# Altium PCB main.PcbDoc (part 1 of 3) (continued)
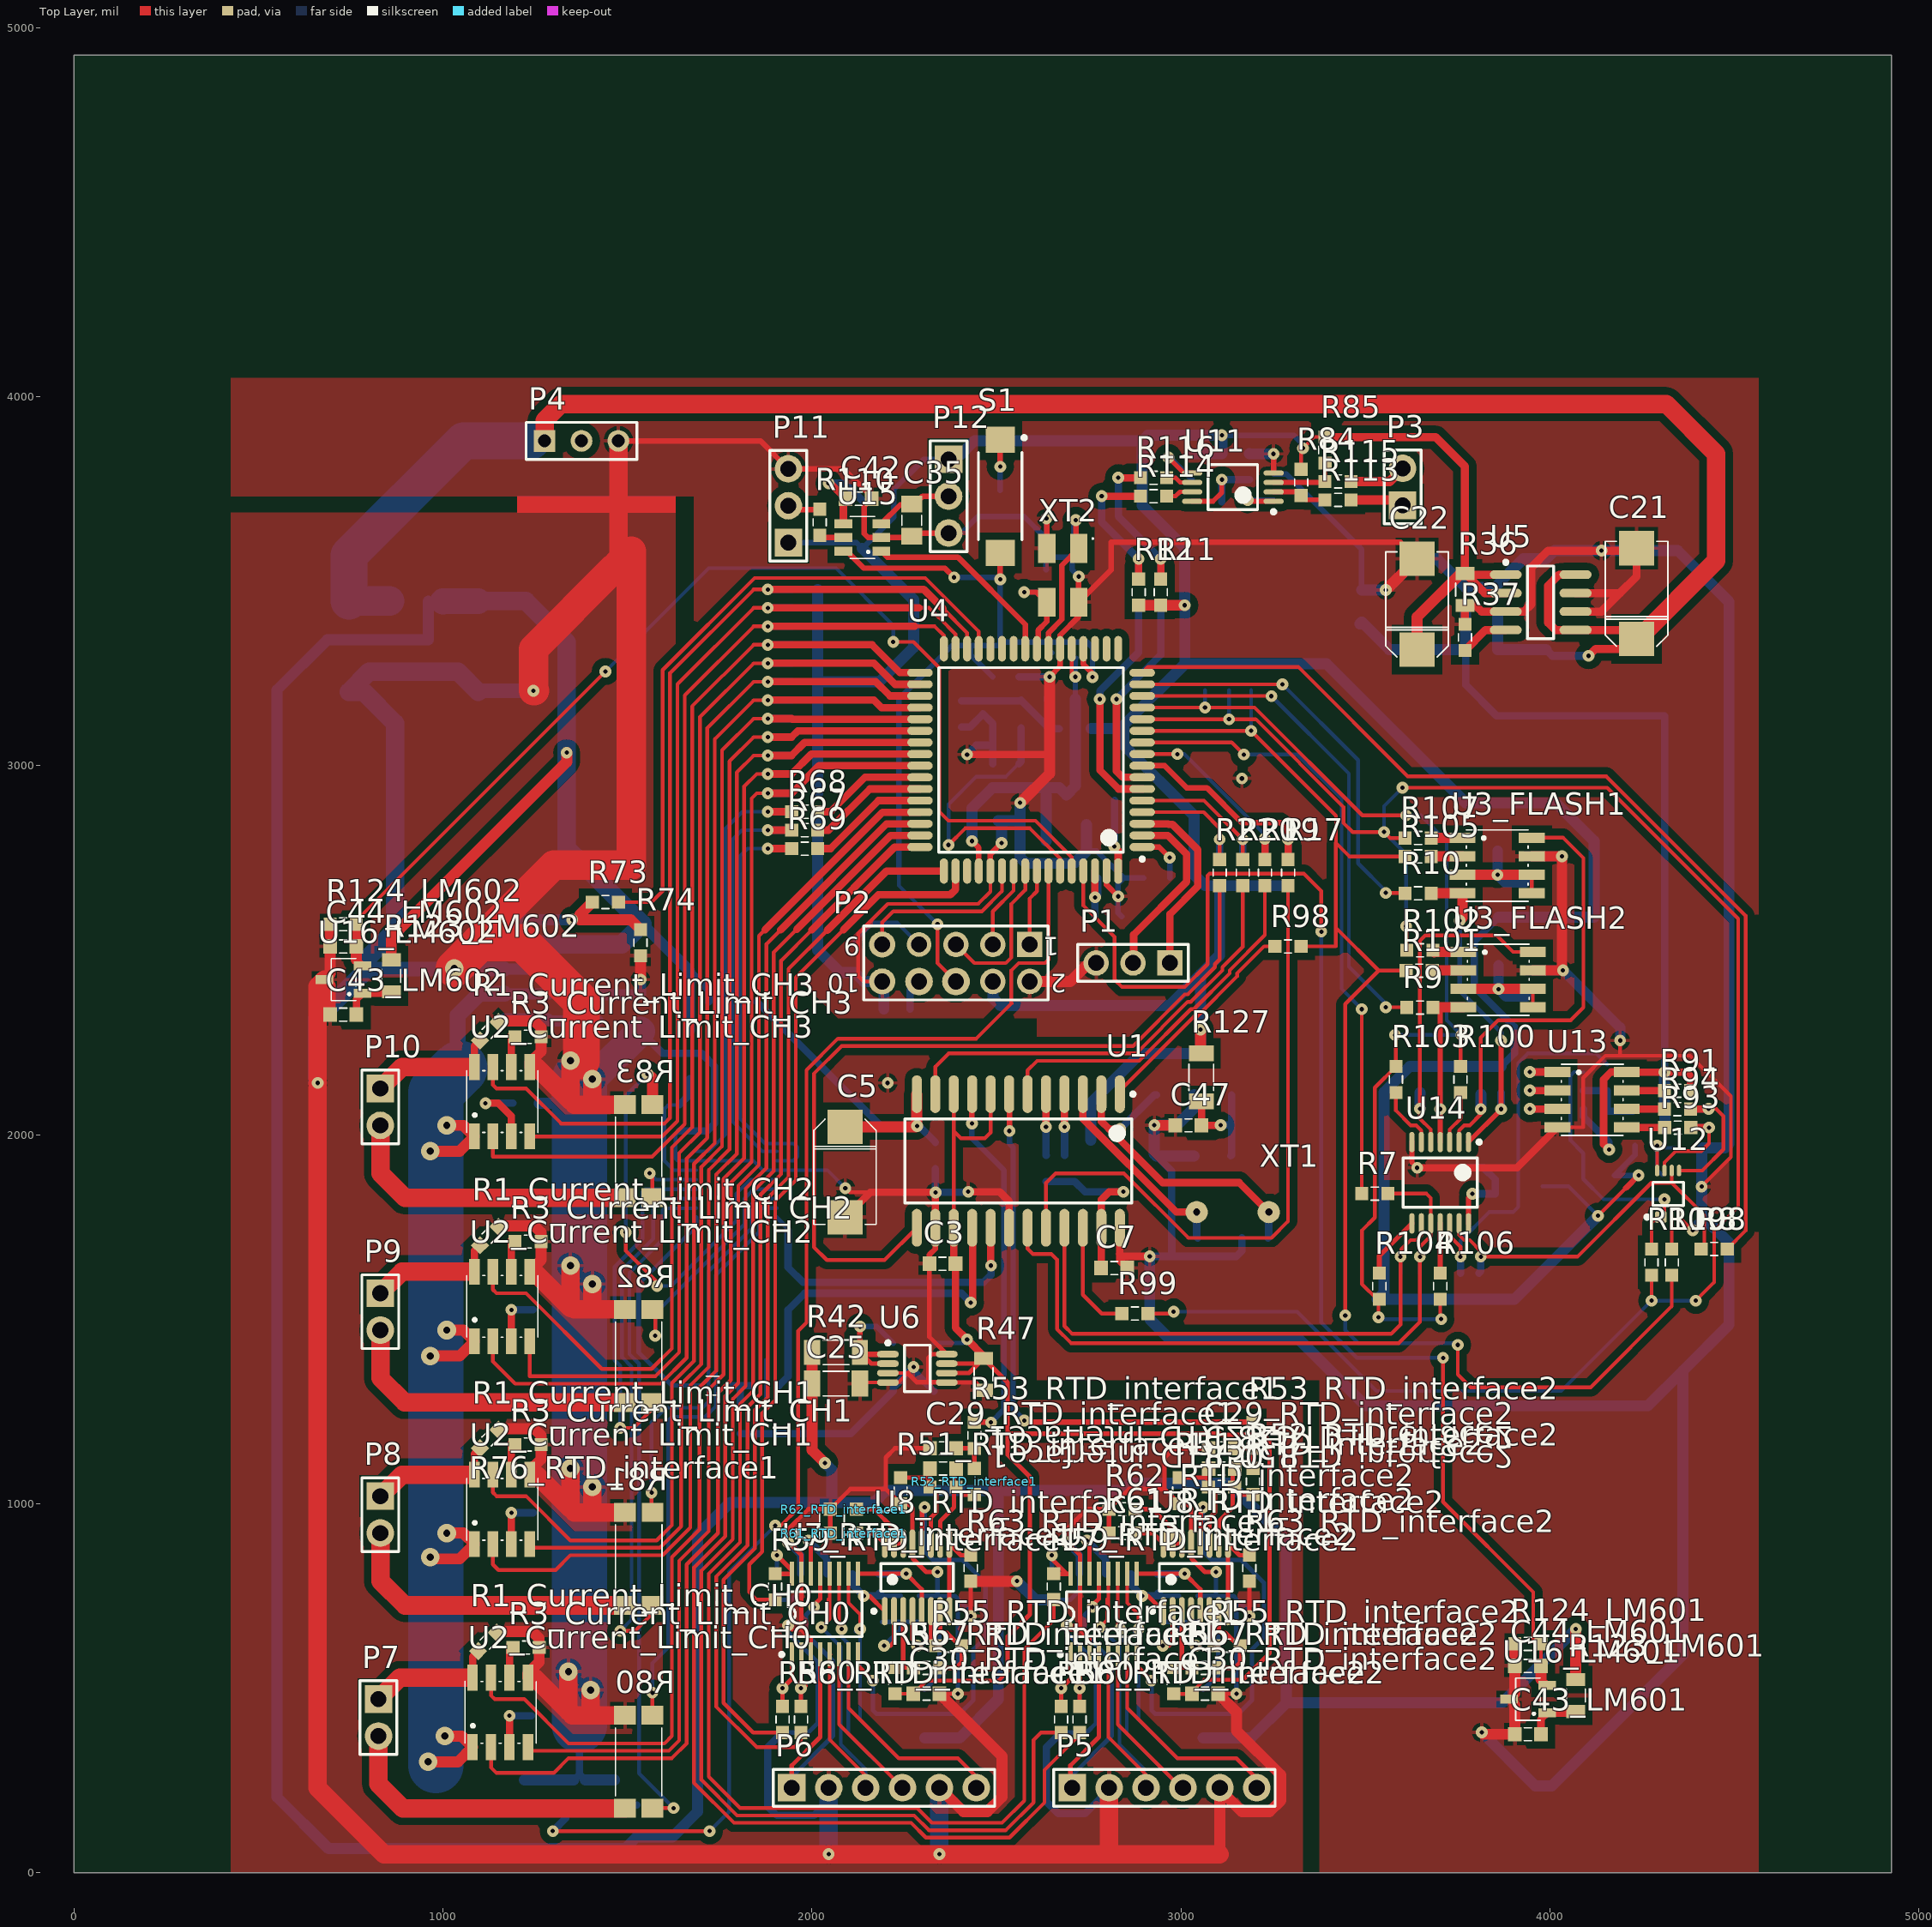
[diagram p0: Top Layer view]
## Classes and differential pairs
net class VCC[1..4]: VCC3 VCC4
net class GROUND[1..4]: GROUND4
channel class LM60: LM601 LM602 LM603 LM604
net class TEMP[1..4]: TEMP1 TEMP2 TEMP3 TEMP4
component class LM604: C43_LM604 C44_LM604 R123_LM604 R124_LM604 U16_LM604
component class LM603: C43_LM603 C44_LM603 R123_LM603 R124_LM603 U16_LM603
component class LM602: C43_LM602 C44_LM602 R123_LM602 R124_LM602 U16_LM602
component class LM601: C43_LM601 C44_LM601 R123_LM601 R124_LM601 U16_LM601
channel class RTD: RTD_interface1 RTD_interface2
channel class Flash: FLASH1 FLASH2
channel class Current_Limit: Current_Limit_CH0 Current_Limit_CH1 Current_Limit_CH2 Current_Limit_CH3
component class Watchdog: C35 C42 P11 P12 R110 R120 U15
component class SunS_Decoupler: C39 R84 R85 R86 R87 R113 R114 R115 R116 R117 U11
component class "SPI buffer": C41 R23 R24 R25 R26 R27 R28 R29 R38 R39 R40 R41 R98 R99 R100 R101 R102 R103 R104 R105 R106 R107 R108 R109 R119 U14
component class "Solar Panels": P5 P6 P7 P8 P9 P10
component class Solar_interface: C31 C32 C33 C34 C38 R67 R68 R69 R70 R71 R72 R73 R74 R75 R77 R78 R79 R80 R81 R82 R83 R112 U9 U10
component class Satellite_interface: P3 P4
component class RTD_interface2: C27_RTD_interface2 C28_RTD_interface2 C29_RTD_interface2 C30_RTD_interface2 C36_RTD_interface2 C37_RTD_interface2 R48_RTD_interface2 R49_RTD_interface2 R50_RTD_interface2 R51_RTD_interface2 R52_RTD_interface2 R53_RTD_interface2 R54_RTD_interface2 R55_RTD_interface2 R56_RTD_interface2 R57_RTD_interface2 R58_RTD_interface2 R59_RTD_interface2 R60_RTD_interface2 R61_RTD_interface2 R62_RTD_interface2 R63_RTD_interface2 R64_RTD_interface2 R65_RTD_interface2 R66_RTD_interface2 R76_RTD_interface2 R111_RTD_interface2 U7_RTD_interface2 U8_RTD_interface2
component class RTD_interface1: C27_RTD_interface1 C28_RTD_interface1 C29_RTD_interface1 C30_RTD_interface1 C36_RTD_interface1 C37_RTD_interface1 R48_RTD_interface1 R49_RTD_interface1 R50_RTD_interface1 R51_RTD_interface1 R52_RTD_interface1 R53_RTD_interface1 R54_RTD_interface1 R55_RTD_interface1 R56_RTD_interface1 R57_RTD_interface1 R58_RTD_interface1 R59_RTD_interface1 R60_RTD_interface1 R61_RTD_interface1 R62_RTD_interface1 R63_RTD_interface1 R64_RTD_interface1 R65_RTD_interface1 R66_RTD_interface1 R76_RTD_interface1 R111_RTD_interface1 U7_RTD_interface1 U8_RTD_interface1
component class "Power distribution & filters": C15 C16 C17 C18 C19 C20 C21 C22 L1 L2 R33 R34 R35 R36 R37 U5
component class MCU: C8 C9 C10 C11 C12 C13 C14 C45 C46 P1 P2 R4 R5 R6 R7 R8 R9 R10 R11 R12 R13 R14 R15 R16 R17 R18 R19 R20 R21 R22 R30 R31 R32 R46 R125 R126 R128 R129 R130 R131 R132 R133 R134 R135 R136 R137 R138 S1 U4 XT2 Y2
component class FRAM: C40 D1 R88 R89 R90 R91 R92 R93 R94 R95 R96 R97 R118 U12 U13
component class FLASH2: C23_FLASH2 R45_FLASH2 U3_FLASH2
component class FLASH1: C23_FLASH1 R45_FLASH1 U3_FLASH1
component class Current_Limit_CH3: R1_Current_Limit_CH3 R2_Current_Limit_CH3 R3_Current_Limit_CH3 U2_Current_Limit_CH3
component class Current_Limit_CH2: R1_Current_Limit_CH2 R2_Current_Limit_CH2 R3_Current_Limit_CH2 U2_Current_Limit_CH2
component class Current_Limit_CH1: R1_Current_Limit_CH1 R2_Current_Limit_CH1 R3_Current_Limit_CH1 U2_Current_Limit_CH1
component class Current_Limit_CH0: R1_Current_Limit_CH0 R2_Current_Limit_CH0 R3_Current_Limit_CH0 U2_Current_Limit_CH0
component class ADC: C1 C2 C3 C5 C6 C7 C47 R43 R44 R121 R122 R127 U1 XT1 XT3 Y1
component class 2.5V-ref: C24 C25 C26 R42 R47 U6

## Components (designator, comment, footprint, x,y, rotation, side; value= is the part's Value field where it differs from the comment)
C1 "0603" SMD_Capacitor_0603 3200,1720 r0 bottom
C2 "0603" SMD_Capacitor_0603 3010,1720 r0 bottom
C3 "0603" SMD_Capacitor_0603 2353.39,1650 r0 top
C5 "Tantalum" Tantalum_cap_D 2089.41,1898.46 r270 top
C6 "0603" SMD_Capacitor_0603 2334.41,1943.46 r90 bottom
C7 "0603" SMD_Capacitor_0603 2818.98,1638.46 r180 top
C8 "0603" SMD_Capacitor_0603 2670,3615.23 r0 bottom
C9 "0603" SMD_Capacitor_0603 2634.4,3495.43 r270 bottom
C10 "0603" SMD_Capacitor_0603 2525,3240 r180 bottom
C11 "0603" SMD_Capacitor_0603 2678.53,3180.43 r0 bottom
C12 "0603" SMD_Capacitor_0603 2468.53,2850.43 r180 bottom
C13 "0603" SMD_Capacitor_0603 2599.4,2795.43 r0 bottom
C14 "0603" SMD_Capacitor_0603 2599.4,2850.43 r0 bottom
C15 "0805" SMD_Capacitor_0805 885,3297.83 r90 bottom
C16 "Tantalum" Tantalum_cap_D 745,3322.83 r270 bottom
C17 "Tantalum" Tantalum_cap_D 1095,3322.83 r270 bottom
C18 "Tantalum" Tantalum_cap_D 3989.57,3437.4 r90 bottom
C19 "Tantalum" Tantalum_cap_D 3639.57,3437.4 r90 bottom
C20 "0603" SMD_Capacitor_0603 3771.26,3447.4 r270 bottom
C21 "Tantalum" Tantalum_cap_D 4234.57,3466.26 r90 top
C22 "Tantalum" Tantalum_cap_D 3639.57,3437.4 r90 top
C23_FLASH1 "0603" SMD_Capacitor_0603 3932.68,2718.82 r270 bottom (schematic designator C23)
C23_FLASH2 "0603" SMD_Capacitor_0603 3935.59,2409.41 r270 bottom (schematic designator C23)
C24 "1206" SMD_Capacitor_1206 2220,1370 r90 bottom
C25 "1206" SMD_Capacitor_1206 2065,1325 r180 top
C26 "1206" SMD_Capacitor_1206 2330,1370 r90 bottom
C27_RTD_interface1 "0603" SMD_Capacitor_0603 2190.01,714.99 r90 bottom (schematic designator C27)
C27_RTD_interface2 "0603" SMD_Capacitor_0603 2945.01,715 r90 bottom (schematic designator C27)
C28_RTD_interface1 "0603" SMD_Capacitor_0603 2355,1095 r0 top (schematic designator C28)
C28_RTD_interface2 "0603" SMD_Capacitor_0603 3110,1095 r0 top (schematic designator C28)
C29_RTD_interface1 "0603" SMD_Capacitor_0603 2355,1150 r0 top (schematic designator C29)
C29_RTD_interface2 "0603" SMD_Capacitor_0603 3110,1150 r0 top (schematic designator C29)
C30_RTD_interface1 "0603" SMD_Capacitor_0603 2310,485 r0 top (schematic designator C30)
C30_RTD_interface2 "0603" SMD_Capacitor_0603 3065,485 r0 top (schematic designator C30)
C31 "Tantalum" Tantalum_cap_D 1540,2448.31 r270 bottom
C32 "Tantalum" Tantalum_cap_D 1175,1855 r0 bottom
C33 "0603" SMD_Capacitor_0603 1360,2343.31 r270 bottom
C34 "0603" SMD_Capacitor_0603 1805,1225 r90 bottom
C35 "0805" SMD_Capacitor_0805 2270,3665 r90 top
C36_RTD_interface1 "0603" SMD_Capacitor_0603 2005,810 r0 bottom (schematic designator C36)
C36_RTD_interface2 "0603" SMD_Capacitor_0603 2760,810 r0 bottom (schematic designator C36)
C37_RTD_interface1 "0603" SMD_Capacitor_0603 2345,715 r270 bottom (schematic designator C37)
C37_RTD_interface2 "0603" SMD_Capacitor_0603 3095,715 r270 bottom (schematic designator C37)
C38 "0603" SMD_Capacitor_0603 1640,2045 r90 bottom
C39 "0603" SMD_Capacitor_0603 3185.43,3810 r270 bottom
C40 "0603" SMD_Capacitor_0603 4375.28,1963.98 r180 bottom
C41 "0603" SMD_Capacitor_0603 3736.93,1909.65 r180 bottom
C42 "0603" SMD_Capacitor_0603 2126.37,3723.28 r180 top
C43_LM601 "Cap" SMD_Capacitor_0603 3940,375 r0 top (schematic designator C43)
C43_LM602 "Cap" SMD_Capacitor_0603 729.57,2325 r0 top (schematic designator C43)
C43_LM603 "Cap" SMD_Capacitor_0603 2405,3140 r90 bottom (schematic designator C43)
C43_LM604 "Cap" SMD_Capacitor_0603 1465,215.43 r270 bottom (schematic designator C43)
C44_LM601 "Cap" SMD_Capacitor_0603 3940,560 r0 top (schematic designator C44)
C44_LM602 "Cap" SMD_Capacitor_0603 729.57,2510 r0 top (schematic designator C44)
C44_LM603 "Cap" SMD_Capacitor_0603 2525,3005 r0 bottom (schematic designator C44)
C44_LM604 "Cap" SMD_Capacitor_0603 1280,215.43 r270 bottom (schematic designator C44)
C45 "0603" SMD_Capacitor_0603 2804.4,2590.43 r180 bottom
C46 "0603" SMD_Capacitor_0603 2779.4,2840.43 r0 bottom
C47 "0603" SMD_Capacitor_0603 3020.04,2025 r180 top
D1 "BAT165" SOD323 4230,2019.57 r90 bottom
L1 "Inductor" SMD_Capacitor_0805 920,3445.67 r0 bottom
L2 "Inductor" SMD_Capacitor_0805 3814.57,3314.57 r180 bottom
P1 "UART" HDR1X3#1 2970,2465 r180 top
P2 "JTAG" HDR2X5 2590,2515 r180 top
P3 "Sat I2C" HDR1X2 3600.43,3705.43 r90 top
P4 "Sat Power" HDR1X3#2 1275,3880 r0 top
P5 "Header 6" HDR1X6 2705,230 r0 top
P6 "Header 6" HDR1X6 1945,230 r0 top
P7 "SOL_A" HDR1X2 825,470.16 r270 top
P8 "SOL_B" HDR1X2 830,1020.16 r270 top
P9 "SOL_C" HDR1X2 830,1570.16 r270 top
P10 "SOL_D" HDR1X2 830,2125 r270 top
P11 "Header 3" HDR1X3#3 1935.77,3604.14 r90 top
P12 "Header 3" HDR1X3#3 2370,3830 r270 top
R1_Current_Limit_CH0 "0805" SMD_Resistor_0603 1120,625.16 r45 top (schematic designator R1)
R1_Current_Limit_CH1 "0805" SMD_Resistor_0603 1125,1175.16 r45 top (schematic designator R1)
R1_Current_Limit_CH2 "0805" SMD_Resistor_0603 1125,1725.16 r45 top (schematic designator R1)
R1_Current_Limit_CH3 "0805" SMD_Resistor_0603 1125,2280 r45 top (schematic designator R1)
R2_Current_Limit_CH0 "0603" SMD_Resistor_0603 1275,425.16 r180 bottom (schematic designator R2)
R2_Current_Limit_CH1 "0603" SMD_Resistor_0603 1280,975 r180 bottom (schematic designator R2)
R2_Current_Limit_CH2 "0603" SMD_Resistor_0603 1280,1525.16 r180 bottom (schematic designator R2)
R2_Current_Limit_CH3 "0603" SMD_Resistor_0603 1225,2085 r180 bottom (schematic designator R2)
R3_Current_Limit_CH0 "0603" SMD_Resistor_0603 1225,610.16 r0 top (schematic designator R3)
R3_Current_Limit_CH1 "0603" SMD_Resistor_0603 1230,1160.16 r0 top (schematic designator R3)
R3_Current_Limit_CH2 "0603" SMD_Resistor_0603 1230,1710.16 r0 top (schematic designator R3)
R3_Current_Limit_CH3 "0603" SMD_Resistor_0603 1230,2265 r0 top (schematic designator R3)
R4 "0603" SMD_Resistor_0603 1979.99,3027.28 r0 bottom
R5 "0603" SMD_Resistor_0603 1980,2925 r0 bottom
R6 "0603" SMD_Resistor_0603 1979.99,2977.28 r0 bottom
R7 "0603" SMD_Resistor_0603 3525,1840 r180 top
R8 "0603" SMD_Resistor_0603 4445,1690 r0 top
R9 "0603" SMD_Resistor_0603 3647.37,2344.41 r180 top
R10 "0603" SMD_Resistor_0603 3642.68,2653.82 r180 top
R11 "0603" SMD_Resistor_0603 2945,3470 r270 top
R12 "0603" SMD_Resistor_0603 2885,3470 r270 top
R13 "0603" SMD_Resistor_0603 3104.58,2710.01 r270 bottom
R14 "0603" SMD_Resistor_0603 3167.29,2710 r270 bottom
R15 "0603" SMD_Resistor_0603 3227.29,2710 r270 bottom
R16 "0603" SMD_Resistor_0603 3290,2710 r270 bottom
R17 "0603" SMD_Resistor_0603 3290,2710 r270 top
R18 "0603" SMD_Resistor_0603 2885,3470 r90 bottom
R19 "0603" SMD_Resistor_0603 3227.29,2710 r270 top
R20 "0603" SMD_Resistor_0603 3167.29,2710 r270 top
R21 "0603" SMD_Resistor_0603 3104.57,2710 r270 top
R22 "0603" SMD_Resistor_0603 2945,3470 r90 bottom
R23 "0603" SMD_Resistor_0603 3190,3240 r90 bottom
R24 "0603" SMD_Resistor_0603 3130,3240 r90 bottom
R25 "0603" SMD_Resistor_0603 3065,3240 r90 bottom
R26 "0603" SMD_Resistor_0603 3867.37,2149.21 r90 bottom
R27 "0603" SMD_Resistor_0603 3702.37,2149.21 r90 bottom
R28 "0603" SMD_Resistor_0603 3812.37,1589.21 r270 bottom
R29 "0603" SMD_Resistor_0603 3647.37,1589.21 r270 bottom
R30 "0603" SMD_Resistor_0603 2934.4,2695.43 r0 bottom
R31 "0603" SMD_Resistor_0603 2680,3291.02 r0 bottom
R32 "0603" SMD_Resistor_0603 2510,3710.32 r270 bottom
R33 "0805" SMD_Resistor_0805#1 960,3297.83 r90 bottom
R34 "0805" SMD_Resistor_0805#1 3489.57,3432.4 r270 bottom
R35 "0805" SMD_Resistor_0805#1 3854.57,3447.4 r270 bottom
R36 "0805" SMD_Resistor_0805#1 3769.57,3477.4 r90 top
R37 "0603" SMD_Resistor_0603 3769.57,3347.4 r270 top
R38 "0603" SMD_Resistor_0603 3812.37,2149.21 r270 bottom
R39 "0603" SMD_Resistor_0603 3647.37,2149.21 r270 bottom
R40 "0603" SMD_Resistor_0603 3594.65,1589.2 r90 bottom
R41 "0603" SMD_Resistor_0603 3757.37,1589.21 r90 bottom
R42 "1206" SMD_Resistor_1206 2065,1410 r0 top
R43 "1206" SMD_Resistor_1206 1785,2360 r0 bottom
R44 "1206" SMD_Resistor_1206 2755,1920 r270 bottom
R45_FLASH1 "1206" SMD_Resistor_1206 3857.68,2833.82 r270 bottom (schematic designator R45)
R45_FLASH2 "1206" SMD_Resistor_1206 3859.81,2516.27 r270 bottom (schematic designator R45)
R46 "1206" SMD_Resistor_1206 2780,3015 r180 bottom
R47 "0805" SMD_Resistor_0805#1 2465,1350 r90 top
R48_RTD_interface1 "0603" SMD_Resistor_0603 2290,715 r90 bottom (schematic designator R48)
R48_RTD_interface2 "0603" SMD_Resistor_0603 3045.01,715 r90 bottom (schematic designator R48)
R49_RTD_interface1 "0603" SMD_Resistor_0603 2240,715 r270 bottom (schematic designator R49)
R49_RTD_interface2 "0603" SMD_Resistor_0603 2995.01,715 r270 bottom (schematic designator R49)
R50_RTD_interface1 "0603" SMD_Resistor_0603 2355,1045 r0 top (schematic designator R50)
R50_RTD_interface2 "0603" SMD_Resistor_0603 3110,1045 r0 top (schematic designator R50)
R51_RTD_interface1 "0603" SMD_Resistor_0603 2240,1035 r90 top (schematic designator R51)
R51_RTD_interface2 "0603" SMD_Resistor_0603 2995,1035 r90 top (schematic designator R51)
R52_RTD_interface1 "0603" SMD_Resistor_0603 2440,1060 r270 top (schematic designator R52)
R52_RTD_interface2 "0603" SMD_Resistor_0603 3195,1060 r270 top (schematic designator R52)
R53_RTD_interface1 "0603" SMD_Resistor_0603 2440,1185 r270 top (schematic designator R53)
R53_RTD_interface2 "0603" SMD_Resistor_0603 3195,1185 r270 top (schematic designator R53)
R54_RTD_interface1 "0603" SMD_Resistor_0603 2145,810 r180 bottom (schematic designator R54)
R54_RTD_interface2 "0603" SMD_Resistor_0603 2900,810 r180 bottom (schematic designator R54)
R55_RTD_interface1 "0603" SMD_Resistor_0603 2370,615 r0 top (schematic designator R55)
R55_RTD_interface2 "0603" SMD_Resistor_0603 3125,615 r0 top (schematic designator R55)
R56_RTD_interface1 "0603" SMD_Resistor_0603 2225,520 r270 top (schematic designator R56)
R56_RTD_interface2 "0603" SMD_Resistor_0603 2980,520 r270 top (schematic designator R56)
R57_RTD_interface1 "0603" SMD_Resistor_0603 2310,555 r180 top (schematic designator R57)
R57_RTD_interface2 "0603" SMD_Resistor_0603 3065,555 r180 top (schematic designator R57)
R58_RTD_interface1 "0603" SMD_Resistor_0603 1920,415 r270 top (schematic designator R58)
R58_RTD_interface2 "0603" SMD_Resistor_0603 2674.99,415.01 r270 top (schematic designator R58)
R59_RTD_interface1 "0603" SMD_Resistor_0603 1900,775 r270 top (schematic designator R59)
R59_RTD_interface2 "0603" SMD_Resistor_0603 2655,775 r270 top (schematic designator R59)
R60_RTD_interface1 "0603" SMD_Resistor_0603 1970,415 r270 top (schematic designator R60)
R60_RTD_interface2 "0603" SMD_Resistor_0603 2725,415.01 r270 top (schematic designator R60)
R61_RTD_interface1 "0603" SMD_Resistor_0603 2085,920 r180 top (schematic designator R61)
R61_RTD_interface2 "0603" SMD_Resistor_0603 2840,920 r180 top (schematic designator R61)
R62_RTD_interface1 "0603" SMD_Resistor_0603 2085,985 r180 top (schematic designator R62)
R62_RTD_interface2 "0603" SMD_Resistor_0603 2840,985 r180 top (schematic designator R62)
R63_RTD_interface1 "0603" SMD_Resistor_0603 2430,825 r270 top (schematic designator R63)
R63_RTD_interface2 "0603" SMD_Resistor_0603 3185,825 r270 top (schematic designator R63)
R64_RTD_interface1 "0603" SMD_Resistor_0603 1920,415 r270 bottom (schematic designator R64)
R64_RTD_interface2 "0603" SMD_Resistor_0603 2675,415.01 r270 bottom (schematic designator R64)
R65_RTD_interface1 "0603" SMD_Resistor_0603 1900,775 r270 bottom (schematic designator R65)
R65_RTD_interface2 "0603" SMD_Resistor_0603 2655,775 r270 bottom (schematic designator R65)
R66_RTD_interface1 "0603" SMD_Resistor_0603 1970,415 r270 bottom (schematic designator R66)
R66_RTD_interface2 "0603" SMD_Resistor_0603 2725,415 r270 bottom (schematic designator R66)
R67 "0603" SMD_Resistor_0603 1979.99,2825 r0 top
R68 "0603" SMD_Resistor_0603 1979.99,2875 r0 top
R69 "0603" SMD_Resistor_0603 1979.99,2775 r0 top
R70 "0603" SMD_Resistor_0603 1979.99,2825 r0 bottom
R71 "0603" SMD_Resistor_0603 1980,2875 r0 bottom
R72 "0603" SMD_Resistor_0603 1979.98,2775.01 r0 bottom
R73 "0603" SMD_Resistor_0603 1440,2630 r0 top
R74 "0603" SMD_Resistor_0603 1535,2520 r270 top
R75 "0603" SMD_Resistor_0603 1290,2343.31 r90 bottom
R76_RTD_interface1 "1206" SMD_Resistor_1206 2053.5,937.72 r90 bottom (schematic designator R76)
R76_RTD_interface2 "1206" SMD_Resistor_1206 2808.5,937.72 r90 bottom (schematic designator R76)
R77 "0603" SMD_Resistor_0603 1420,2343.31 r90 bottom
R78 "0805" SMD_Resistor_0805#2 1730,1320 r180 bottom
R79 "0603" SMD_Resistor_0603 1875,1320 r0 bottom
R80 "15R/1%" SMD_Resistor-shunt_2512 1530,300.16 r270 top
R81 "15R/1%" SMD_Resistor-shunt_2512 1530.43,850.16 r270 top
R82 "15R/1%" SMD_Resistor-shunt_2512 1530,1400.16 r270 top
R83 "15R/1%" SMD_Resistor-shunt_2512 1530,1955 r270 top
R84 "0603" SMD_Resistor_0603 3325.43,3767.36 r90 top
R85 "0603" SMD_Resistor_0603 3390.43,3855 r90 top
R86 "0603" SMD_Resistor_0603 3030.43,3810 r90 bottom
R87 "0603" SMD_Resistor_0603 3250.43,3755 r270 bottom
R88 "0603" SMD_Resistor_0603 4346.33,2018.97 r180 bottom
R89 "0603" SMD_Resistor_0603 4345.28,2068.98 r180 bottom
R90 "0603" SMD_Resistor_0603 4090,1984.57 r90 bottom
R91 "0603" SMD_Resistor_0603 4345.28,2118.98 r0 top
R92 "0603" SMD_Resistor_0603 4055,2069.57 r0 bottom
R93 "0603" SMD_Resistor_0603 4346.33,2018.97 r180 top
R94 "0603" SMD_Resistor_0603 4345.28,2068.98 r180 top
R95 "0603" SMD_Resistor_0603 4055,2169.57 r180 bottom
R96 "0603" SMD_Resistor_0603 4055,2119.57 r180 bottom
R97 "0603" SMD_Resistor_0603 4155,2154.57 r270 bottom
R98 "0603" SMD_Resistor_0603 3290,2510 r180 top
R99 "0603" SMD_Resistor_0603 2875,1515 r180 top
R100 "0603" SMD_Resistor_0603 3757.37,2149.21 r270 top
R101 "0603" SMD_Resistor_0603 3645.59,2444.41 r0 top
R102 "0603" SMD_Resistor_0603 3647.37,2499.41 r0 top
R103 "0603" SMD_Resistor_0603 3582.37,2149.21 r270 top
R104 "0603" SMD_Resistor_0603 3537.37,1589.2 r90 top
R105 "0603" SMD_Resistor_0603 3642.68,2753.82 r0 top
R106 "0603" SMD_Resistor_0603 3702.37,1589.21 r90 top
R107 "0603" SMD_Resistor_0603 3642.68,2803.82 r0 top
R108 "0603" SMD_Resistor_0603 4330,1654.13 r90 top
R109 "0603" SMD_Resistor_0603 4275,1654.13 r90 top
R110 "0603" SMD_Resistor_0603 2020.77,3659.14 r270 top
R111_RTD_interface1 "1206" SMD_Resistor_1206 2305,430 r270 bottom (schematic designator R111)
R111_RTD_interface2 "1206" SMD_Resistor_1206 3060,430 r270 bottom (schematic designator R111)
R112 "1206" SMD_Resistor_1206 1670,2220 r90 bottom
R113 "0603" SMD_Resistor_0603 3425.43,3720 r0 top
R114 "0603" SMD_Resistor_0603 2925.43,3730 r0 top
R115 "0603" SMD_Resistor_0603 3425.43,3770 r0 top
R116 "0603" SMD_Resistor_0603 2925.43,3780 r0 top
R117 "1206" SMD_Resistor_1206 3110.43,3780 r90 bottom
R118 "1206" SMD_Resistor_1206 4240,1889.57 r0 bottom
R119 "1206" SMD_Resistor_1206 3914,1860 r180 bottom
R120 "1206" SMD_Resistor_1206 2136.37,3653.28 r90 bottom
R121 "0603" SMD_Resistor_0603 2634.41,1908.46 r90 bottom
R122 "0603" SMD_Resistor_0603 2684.41,1908.46 r90 bottom
R123_LM601 "Res2" SMD_Resistor_0805#1 4070,480 r270 top (schematic designator R123)
R123_LM602 "Res2" SMD_Resistor_0805#1 859.57,2430 r270 top (schematic designator R123)
R123_LM603 "Res2" SMD_Resistor_0805#1 2713.53,3100 r180 bottom (schematic designator R123)
R123_LM604 "Res2" SMD_Resistor_0805#1 1525,140 r90 bottom (schematic designator R123)
R124_LM601 "Res2" SMD_Resistor_0603 3940,620 r0 top (schematic designator R124)
R124_LM602 "Res2" SMD_Resistor_0603 729.57,2570 r0 top (schematic designator R124)
R124_LM603 "Res2" SMD_Resistor_0603 2525,3055 r0 bottom (schematic designator R124)
R124_LM604 "Res2" SMD_Resistor_0603 1220,215.43 r270 bottom (schematic designator R124)
R125 "1206" SMD_Resistor_1206 2754.4,2920.43 r180 bottom
R126 "0603" SMD_Resistor_0603 2809.4,2695.43 r180 bottom
R127 "1206" SMD_Resistor_1206 3055,2155 r90 top
R128 "0603" SMD_Resistor_0603 1979.99,3177.27 r0 bottom
R129 "0603" SMD_Resistor_0603 1979.99,3077.28 r0 bottom
R130 "0603" SMD_Resistor_0603 1979.99,3127.28 r0 bottom
R131 "0603" SMD_Resistor_0603 1979.99,3327.27 r0 bottom
R132 "0603" SMD_Resistor_0603 1979.99,3227.27 r0 bottom
R133 "0603" SMD_Resistor_0603 1979.98,3277.27 r0 bottom
R134 "0603" SMD_Resistor_0603 1979.99,3477.27 r0 bottom
R135 "0603" SMD_Resistor_0603 1979.99,3377.27 r0 bottom
R136 "0603" SMD_Resistor_0603 1979.99,3427.27 r0 bottom
R137 "0603" SMD_Resistor_0603 2115,2475 r90 bottom
R138 "0603" SMD_Resistor_0603 2230,2340 r0 bottom
S1 "Tact Switch" "Tact Switch 3x6" 2510,3730 r270 top
U1 "AD7714YRZ" RW-24_M 2558.98,1928.46 r270 top
U2_Current_Limit_CH0 "FPF2700MX" SOIC-8-N 1155.59,435.43 r90 top (schematic designator U2)
U2_Current_Limit_CH1 "FPF2700MX" SOIC-8-N 1160.59,985.43 r90 top (schematic designator U2)
U2_Current_Limit_CH2 "FPF2700MX" SOIC-8-N 1160.59,1535.43 r90 top (schematic designator U2)
U2_Current_Limit_CH3 "FPF2700MX" SOIC-8-N 1160.59,2090.28 r90 top (schematic designator U2)
U3_FLASH1 "AT45DB641E" SOIC-8-N 3857.68,2728.82 r0 top (schematic designator U3)
U3_FLASH2 "AT45DB641E" SOIC-8-N 3860.59,2419.41 r0 top (schematic designator U3)
U4 "ATmega325PA-AU" 64A_N 2593.53,3015.43 r180 top
U5 "LT1963AES8-3.3#PBF" LT-S8-8_N 3974.57,3442.4 r0 top
U6 "LTC6655-2.5" MSOP-8 2285.28,1366.61 r0 top
U7_RTD_interface1 "ADG709" TSSOP16 2034.96,700.43 r0 top (schematic designator U7)
U7_RTD_interface2 "ADG709" TSSOP16 2789.96,700.43 r0 top (schematic designator U7)
U8_RTD_interface1 "LTC6079" SSOP-16 2284.61,800 r90 top (schematic designator U8)
U8_RTD_interface2 "LTC6079" SSOP-16 3039.61,800 r90 top (schematic designator U8)
U9 "LT1963AMPQ#PBF" LT-Q-5_N 920,2448.31 r180 bottom
U10 "ADG709" TSSOP16 1795,1865 r270 bottom
U11 "PCA9515APW" PW8_L 3140.43,3754.57 r180 top
U12 "SN74LVC3G07-EP" VSSOP-8 4320,1839.57 r90 top
U13 "FM25W256" SOIC-8-N 4115.28,2093.98 r0 top
U14 "SN74AHC125-EP" TSSOP14_L 3702.36,1869.65 r270 top
U15 "TPS3813xxxDBV" SOT23-6 2136.37,3618.28 r180 top
U16_LM601 "LM60" SOT23-3 3940.43,470 r180 top (schematic designator U16)
U16_LM602 "LM60" SOT23-3 730,2420 r180 top (schematic designator U16)
U16_LM603 "LM60" SOT23-3 2515,3140 r180 bottom (schematic designator U16)
U16_LM604 "LM60" SOT23-3 1370,215 r90 bottom (schematic designator U16)
XT1 "2.4576MHz" HC49U 3140,1790 r180 top
XT2 "Value" "SMD, 5mm x 3.2mm" 2679.4,3515.43 r270 top
XT3 "2.048MHz" SG7050 3035.04,2025 r180 bottom

## Footprints (in the part's own frame and the unit in brackets; to place one, negate y for a bottom-side part, rotate by r counter-clockwise, add the part's x,y. Pads: shape width x height; smd on the part's side, far side on the other; paste and mask are expansions set on the pad)
64A_N [mm] "Thin QFP, 64-Leads, Body 14x14mm, Pitch 0.8mm, IPC Medium Density"
  oval 1.75x0.55 smd: 1(-7.65,6) 2(-7.65,5.2) 3(-7.65,4.4) 4(-7.65,3.6) 5(-7.65,2.8) 6(-7.65,2) 7(-7.65,1.2) 8(-7.65,0.4) 9(-7.65,-0.4) 10(-7.65,-1.2) 11(-7.65,-2) 12(-7.65,-2.8) 13(-7.65,-3.6) 14(-7.65,-4.4) 15(-7.65,-5.2) 16(-7.65,-6) 33(7.65,-6) 34(7.65,-5.2) 35(7.65,-4.4) 36(7.65,-3.6) 37(7.65,-2.8) 38(7.65,-2) 39(7.65,-1.2) 40(7.65,-0.4) 41(7.65,0.4) 42(7.65,1.2) 43(7.65,2) 44(7.65,2.8) 45(7.65,3.6) 46(7.65,4.4) 47(7.65,5.2) 48(7.65,6)
  oval 0.55x1.75 smd: 17(-6,-7.65) 18(-5.2,-7.65) 19(-4.4,-7.65) 20(-3.6,-7.65) 21(-2.8,-7.65) 22(-2,-7.65) 23(-1.2,-7.65) 24(-0.4,-7.65) 25(0.4,-7.65) 26(1.2,-7.65) 27(2,-7.65) 28(2.8,-7.65) 29(3.6,-7.65) 30(4.4,-7.65) 31(5.2,-7.65) 32(6,-7.65) 49(6,7.65) 50(5.2,7.65) 51(4.4,7.65) 52(3.6,7.65) 53(2.8,7.65) 54(2,7.65) 55(1.2,7.65) 56(0.4,7.65) 57(-0.4,7.65) 58(-1.2,7.65) 59(-2,7.65) 60(-2.8,7.65) 61(-3.6,7.65) 62(-4.4,7.65) 63(-5.2,7.65) 64(-6,7.65)
  silkscreen extent -7.78,-6.35 6.35,6.95, body extent -8.12,-8.12 8.12,8.12, height 1.35
HC49U [mil]
  round 60 hole 19.68: 1(-97.64,0) 2(97.64,0)
  body extent -223,-92 217,92, height 531
HDR1X2 [mm] "Connector; Header; 2 Position"
  rect 1.9x1.9 hole 1.1: 1(0,0)
  round 1.9 hole 1.1: 2(2.54,0)
  silkscreen extent -1.27,-1.27 3.81,1.27
HDR1X3#1 [mm] "Connector; Header; 3 Position"
  rect 1.75x1.75 hole 1.1: 1(0,0)
  round 1.75 hole 1.1: 2(2.54,0) 3(5.08,0)
  silkscreen extent -1.27,-1.27 6.35,1.27
HDR1X3#2 [mm] "Connector; Header; 3 Position"
  rect 1.5x1.5 hole 0.9: 1(0,0)
  round 1.5 hole 0.9: 2(2.54,0) 3(5.08,0)
  silkscreen extent -1.27,-1.27 6.35,1.27
HDR1X3#3 [mm] "Connector; Header; 3 Position"
  rect 1.9x1.9 hole 1.1: 1(0,0)
  round 1.9 hole 1.1: 2(2.54,0) 3(5.08,0)
  silkscreen extent -1.27,-1.27 6.35,1.27
HDR1X6 [mm] "Connector; Header; 6 Position"
  rect 1.9x1.9 hole 1.1: 1(0,0)
  round 1.9 hole 1.1: 2(2.54,0) 3(5.08,0) 4(7.62,0) 5(10.16,0) 6(12.7,0)
  silkscreen extent -1.27,-1.27 13.97,1.27
HDR2X5 [mm] "Connector; Header; 5x2 Position"
  rect 1.75x1.75 hole 1.1: 1(0,0)
  round 1.75 hole 1.1: 2(0,2.54) 3(2.54,0) 4(2.54,2.54) 5(5.08,0)
  round 1.9 hole 1.1: 6(5.08,2.54) 8(7.62,2.54)
  round 1.7 hole 1.1: 7(7.62,0)
  round 1.8 hole 1.1: 9(10.16,0) 10(10.16,2.54)
  silkscreen extent -1.27,-1.27 11.43,3.81
LT-Q-5_N [mm] "DPAK, 5-Leads, Body 10.22x8.89mm, Pitch 1.702mm, IPC Medium Density"
  rect 3x1.1 smd: 1(-6.25,3.4) 2(-6.25,1.7) 3(-6.25,0) 4(-6.25,-1.7) 5(-6.25,-3.4)
  rect 9.1x10.65 smd: 6(3.2,0)
  silkscreen extent -6.38,-5.25 -1.75,5.25, body extent -3.9,-5.27 5.5,5.28, height 4.78
LT-S8-8_N [mm] "SOIC, 8-Leads, Body 4.9x3.9mm, Pitch 1.27mm, IPC Medium Density"
  oval 2.2x0.6 smd: 1(-2.4,1.905) 2(-2.4,0.635) 3(-2.4,-0.635) 4(-2.4,-1.905) 5(2.4,-1.905) 6(2.4,-0.635) 7(2.4,0.635) 8(2.4,1.905)
  silkscreen extent -2.52,-2.5 0.9,2.88, body extent -2,-2.5 2,2.5, height 1.76
MSOP-8 [mm] "MSOP, 8-Leads, Body 3x3mm, Pitch 0.65mm, IPC High Density"
  oval 1.5x0.45 smd: 1(-2.025,0.975) 2(-2.025,0.325) 3(-2.025,-0.325) 4(-2.025,-0.975) 5(2.025,-0.975) 6(2.025,-0.325) 7(2.025,0.325) 8(2.025,0.975)
  silkscreen extent -2.15,-1.6 0.87,1.87, body extent -2.47,-1.55 2.47,1.55, height 1.1
PW8_L [mm] "TSOP, 8-Leads, Body 3x4.4mm, Pitch 0.65mm, IPC High Density"
  oval 1.4x0.35 smd: 1(-2.8,0.975) 2(-2.8,0.325) 3(-2.8,-0.325) 4(-2.8,-0.975) 5(2.8,-0.975) 6(2.8,-0.325) 7(2.8,0.325) 8(2.8,0.975)
  silkscreen extent -2.93,-1.55 1.7,1.82, body extent -2.25,-1.55 2.25,1.55, height 1.2
RW-24_M [mm] "SOIC, 24-Leads, Body 15.4x7.5mm, Pitch 1.27mm, IPC Low Density"
  oval 2.6x0.7 smd: 1(-4.6,6.985) 2(-4.6,5.715) 3(-4.6,4.445) 4(-4.6,3.175) 5(-4.6,1.905) 6(-4.6,0.635) 7(-4.6,-0.635) 8(-4.6,-1.905) 9(-4.6,-3.175) 10(-4.6,-4.445) 11(-4.6,-5.715) 12(-4.6,-6.985) 13(4.6,-6.985) 14(4.6,-5.715) 15(4.6,-4.445) 16(4.6,-3.175) 17(4.6,-1.905) 18(4.6,-0.635) 19(4.6,0.635) 20(4.6,1.905) 21(4.6,3.175) 22(4.6,4.445) 23(4.6,5.715) 24(4.6,6.985)
  silkscreen extent -4.72,-7.8 2.9,8.01, body extent -5.02,-7.8 5.38,7.6, height 2.6
SG7050 [mm]
  rect 1.8x2 smd: 1(-2.54,-2.1) 2(0,-2.1) 3(2.58,-2.1) 4(2.58,2.1) 5(0,2.1) 6(-2.58,2.1)
  body extent -3.75,-2.6 3.75,2.6, height 1.4
"SMD, 5mm x 3.2mm" [mm]
  rect 2x1.2 smd: 1(-1.85,1.1) 2(1.85,-1.1) 3(-1.85,-1.1) 4(1.85,1.1)
  silkscreen extent -2.58,2.03 -2.49,2.12, body extent -2.5,-1.6 2.5,1.6, height 1
SMD_Capacitor_0603 [mm] "SMD Capacitor, Inch 0603, Metric 1608."
  rect 0.95x1 smd: 1(-0.9,0) 2(0.9,0)
  silkscreen extent -0.25,-0.45 0.25,0.45, body extent -0.8,-0.4 0.8,0.4, height 0.3
SMD_Capacitor_0805 [mm] "SMD Capacitor, Inch 0805, Metric 2012."
  rect 1.15x1.45 smd: 1(-1.1,0) 2(1.1,0)
  silkscreen extent -0.35,-0.68 0.35,0.68, body extent -1,-0.62 1,0.63, height 0.78
SMD_Capacitor_1206 [mm] "SMD Capacitor, Inch 1206, Metric 3216."
  rect 1.15x1.8 smd: 1(-1.65,0) 2(1.65,0)
  silkscreen extent -0.9,-0.85 0.9,0.85, body extent -1.6,-0.8 1.6,0.8, height 1
SMD_Resistor-shunt_2512 [mm] "SMD Shunt Resistor, Inch 2512, Metric 6332."
  rect 1.3x1.5 smd: 1(-3.2,-0.95) 2(-3.2,0.95) 3(3.2,0.95) 4(3.2,-0.95)
  silkscreen extent -2.35,-1.6 2.35,1.6, body extent -3.2,-1.6 3.2,1.6, height 0.8
SMD_Resistor_0603 [mm] "SMD Resistor, Inch 0603, Metric 1608."
  rect 0.9x0.9 smd: 1(-0.9,0) 2(0.9,0)
  silkscreen extent -0.25,-0.45 0.25,0.45, body extent -0.8,-0.45 0.8,0.45, height 0.5
SMD_Resistor_0805#1 [mm] "SMD Resistor, Inch 0805, Metric 2012."
  rect 0.9x1.3 smd: 1(-1.1,0) 2(1.1,0)
  silkscreen extent -0.45,-0.65 0.45,0.65, body extent -1,-0.62 1,0.63, height 0.5
SMD_Resistor_0805#2 [mm] "SMD Resistor, Inch 0805, Metric 2012."
  rect 0.9x1.3 smd: 1(1.1,0) 2(-1.1,0)
  body extent -1,-0.62 1,0.63, height 0.5
SMD_Resistor_1206 [mm] "SMD Resistor, Inch 1206, Metric 3216."
  rect 1.1x1.7 smd: 1(-1.65,0) 2(1.65,0)
  silkscreen extent -0.9,-0.85 0.9,0.85, body extent -1.6,-0.8 1.6,0.8, height 0.8
SOD323 [mm] "JEDEC standard."
  rect 0.8x0.6 smd: A(1.25,0) K(-1.25,0)
  silkscreen extent -0.65,-0.65 0.65,0.65, body extent -1.3,-0.67 1.3,0.68, height 1.1
SOIC-8-N [mm] "JEDEC standard. SO-8."
  rect 1.78x0.72 smd: 1(-2.42,1.92) 2(-2.42,0.65) 3(-2.42,-0.62) 4(-2.42,-1.89) 5(2.36,-1.89) 6(2.36,-0.62) 7(2.36,0.65) 8(2.36,1.92)
  silkscreen extent -2.15,-2.45 2.11,2.45, body extent -3.02,-2.44 2.98,2.46, height 1.7
SOT23-3 [mm] "JEDEC TO-236AB package."
  rect 1.22x0.62 smd: 1(-1.31,0.95) 2(-1.31,-0.95) 3(1.31,0)
  silkscreen extent -0.85,-1.45 0.85,1.45, body extent -1.4,-1.45 1.4,1.45, height 1.3
SOT23-6 [mm] "JEDEC MO-178AB package."
  rect 1.22x0.62 smd: 1(-1.31,0.95) 2(-1.31,0) 3(-1.31,-0.95) 4(1.31,-0.95) 5(1.31,0) 6(1.31,0.95)
  silkscreen extent -0.85,-1.45 0.85,1.45, body extent -1.4,-1.45 1.4,1.45, height 1.45
SSOP-16 [mm] "SOP, 16-Leads, Body 5x4mm, Pitch 0.635mm, IPC High Density"
  oval 1.95x0.4 smd: 1(-2.325,2.223) 2(-2.325,1.588) 3(-2.325,0.953) 4(-2.325,0.318) 5(-2.325,-0.317) 6(-2.325,-0.952) 7(-2.325,-1.587) 8(-2.325,-2.222) 9(2.325,-2.222) 10(2.325,-1.587) 11(2.325,-0.952) 12(2.325,-0.317) 13(2.325,0.318) 14(2.325,0.953) 15(2.325,1.588) 16(2.325,2.223)
  silkscreen extent -2.45,-2.5 0.95,3.1, body extent -3.13,-2.5 3.13,2.5, height 1.74
"Tact Switch 3x6" [mm] "SODFL, 2-Leads, Body 3,00x8,00mm, IPC Medium Density"
  rect 1.8x2 smd: 1(-3.9,0) 2(3.9,0)
  silkscreen extent -4.15,-1.5 3,1.78, body extent -4,-1.8 4,1.8, height 2.6
Tantalum_cap_D [mm] "Tantalum capacitor D-package. Also named EIA 7343-31."
  rect 2.37x2.43 smd: 1(-3.12,0) 2(3.12,0)
  silkscreen extent -3.64,-2.15 3.6,2.15, body extent -3.65,-2.15 3.65,2.15, height 2.85
TSSOP14_L [mm] "TSOP, 14-Leads, Body 5x4.4mm, Pitch 0.65mm, IPC High Density"
  oval 1.4x0.35 smd: 1(-2.8,1.95) 2(-2.8,1.3) 3(-2.8,0.65) 4(-2.8,0) 5(-2.8,-0.65) 6(-2.8,-1.3) 7(-2.8,-1.95) 8(2.8,-1.95) 9(2.8,-1.3) 10(2.8,-0.65) 11(2.8,0) 12(2.8,0.65) 13(2.8,1.3) 14(2.8,1.95)
  silkscreen extent -2.92,-2.55 1.7,2.8, body extent -3.2,-2.55 3.2,2.55, height 1.2
TSSOP16 [mm] "Shrink Small Outline; 16 Leads; Body Width 4.4 mm; Pitch 0.65 mm"
  rect 0.3x1.65 smd: 1(-2.275,-2.775) 2(-1.625,-2.775) 3(-0.975,-2.775) 4(-0.325,-2.775) 5(0.325,-2.775) 6(0.975,-2.775) 7(1.625,-2.775) 8(2.275,-2.775) 9(2.275,2.775) 10(1.625,2.775) 11(0.975,2.775) 12(0.325,2.775) 13(-0.325,2.775) 14(-0.975,2.775) 15(-1.625,2.775) 16(-2.275,2.775)
  silkscreen extent -3.1,-2.9 2.55,1.55, body extent -2.5,-3.2 2.5,3.2, height 1.1
VSSOP-8 [mm] "TSSOP, 8-Leads, Body 2,00x2,30mm, Pitch 0,50mm, IPC Medium Density"
  oval 0.8x0.3 smd: 1(-1.6,0.75) 2(-1.6,0.25) 3(-1.6,-0.25) 4(-1.6,-0.75) 5(1.6,-0.75) 6(1.6,-0.25) 7(1.6,0.25) 8(1.6,0.75)
  silkscreen extent -1.72,-1.05 0.8,1.57, body extent -1.6,-1.05 1.6,1.05, height 0.9

## Part data
C1 C2 C3 C6 C7 C8 C9 C23_FLASH1 C23_FLASH2 C36_RTD_interface1 C36_RTD_interface2 C37_RTD_interface1 C37_RTD_interface2 C38 C39 C40 C41 C42 C47: library part Cap1, "Capacitor"
C5 C16 C17 C18 C19 C21 C22 C31 C32: library part "Cap Pol1", "Polarized Capacitor (Radial)"
C10 C11 C12 C13 C14 C15 C20 C24 C25 C26 C27_RTD_interface1 C27_RTD_interface2 C28_RTD_interface1 C28_RTD_interface2 C29_RTD_interface1 C29_RTD_interface2 C30_RTD_interface1 C30_RTD_interface2 C33 C34 C35 C45 C46: library part Cap, "Capacitor"
C43_LM601 C43_LM602 C43_LM603 C43_LM604 C44_LM601 C44_LM602 C44_LM603 C44_LM604: "Capacitor"
D1: "Madium Power AF Schottky 750mA 40V Diode"
P1 P4: library part "Header 3", "Header, 3-Pin"
P2: library part "Header 5X2", "Header, 5-Pin, Dual row"
P3 P7 P8 P9 P10: library part "Header 2", "Header, 2-Pin"
P5 P6: "Header, 6-Pin"
P11 P12: "Header, 3-Pin"
R1_Current_Limit_CH0 R1_Current_Limit_CH1 R1_Current_Limit_CH2 R1_Current_Limit_CH3 R2_Current_Limit_CH0 R2_Current_Limit_CH1 R2_Current_Limit_CH2 R2_Current_Limit_CH3 R3_Current_Limit_CH0 R3_Current_Limit_CH1 R3_Current_Limit_CH2 R3_Current_Limit_CH3 R4 R5 R6 R7 R8 R9 R10 R11 R12 R13 R14 R15 R16 R17 R18 R19 R20 R21 R22 R23 R24 R25 R26 R27 R28 R29 R30 R31 R32 R33 R34 R35 R36 R37 R38 R39 R40 R41 R42 R43 R44 R45_FLASH1 R45_FLASH2 R46 R47 R48_RTD_interface1 R48_RTD_interface2 R49_RTD_interface1 R49_RTD_interface2 R50_RTD_interface1 R50_RTD_interface2 R51_RTD_interface1 R51_RTD_interface2 R52_RTD_interface1 R52_RTD_interface2 R53_RTD_interface1 R53_RTD_interface2 R54_RTD_interface1 R54_RTD_interface2 R55_RTD_interface1 R55_RTD_interface2 R56_RTD_interface1 R56_RTD_interface2 R57_RTD_interface1 R57_RTD_interface2 R58_RTD_interface1 R58_RTD_interface2 R59_RTD_interface1 R59_RTD_interface2 R60_RTD_interface1 R60_RTD_interface2 R61_RTD_interface1 R61_RTD_interface2 R62_RTD_interface1 R62_RTD_interface2 R63_RTD_interface1 R63_RTD_interface2 R64_RTD_interface1 R64_RTD_interface2 R65_RTD_interface1 R65_RTD_interface2 R66_RTD_interface1 R66_RTD_interface2 R67 R68 R69 R70 R71 R72 R73 R74 R75 R76_RTD_interface1 R76_RTD_interface2 R77 R78 R79 R84 R85 R86 R87 R88 R89 R90 R91 R92 R93 R94 R95 R96 R97 R98 R99 R100 R101 R102 R103 R104 R105 R106 R107 R108 R109 R110 R111_RTD_interface1 R111_RTD_interface2 R112 R113 R114 R115 R116 R117 R118 R119 R120 R121 R122 R125 R126 R127 R128 R129 R130 R131 R132 R133 R134 R135 R136 R137 R138: library part Res2, "Resistor"
R80 R81 R82 R83: library part 352115RFT, "TE CONNECTIVITY  352115RFT  RESISTOR, 2512, 2W, 15R, 1%"
R123_LM601 R123_LM602 R123_LM603 R123_LM604 R124_LM601 R124_LM602 R124_LM603 R124_LM604: "Resistor"
S1: library part TactSwitch
U1: "5 Channel 24-Bit Signal Conditioning Analog-to-Digital Converter with Serial, SPI Interface, 500 uA, CMOS, 3 V / 5 V, 1KSPS, -40 to +105 degC, RW-24, Pb-Free, Tube"
U2_Current_Limit_CH0 U2_Current_Limit_CH1 U2_Current_Limit_CH2 U2_Current_Limit_CH3: "Adj over-current protection 0.4-2A, Load Switch"
U3_FLASH1 U3_FLASH2: "64-Mbit DataFlash (with Extra 2-Mbits)"
U4: "8-bit AVR Microcontroller, 1.5-5.5V, 32KB Flash, 1KB EEPROM, 2KB SRAM, 64-pin TQFP, Industrial Grade (-40°C to 85°C)"
U5: "1.5 A, Low Noise, Fast Transient Response LDO Regulator, 2.1 to 20 V Vin, 3.3 V Vout, 8-pin SOIC (S8-8), -40 to 125 degC, Pb-Free"
U6: "0.25ppm Noise, Low Drift  Precision References"
U7_RTD_interface1 U7_RTD_interface2 U10: "CMOS Analog 4-Channel Multiplexer"
U8_RTD_interface1 U8_RTD_interface2: "Rail-to-rail, quad operational amplifier. Library compatible with LTC608X LTC607X op-amps"
U9: "1.5 A, Low Noise, Fast Transient Response LDO Regulator, 2.1 to 20 V Vin, Adjustable Vout, 5-pin DPAK (Q-5), -55 to 125 degC, Pb-Free"
U11: "Dual Bidirectional I2C Bus and SMBus Repeater, 2 Channel Width, 2.3 to 3.6 V, -40 to 85 degC, 8-pin TSSOP (PW), Green (RoHS & no Sb/Br)"
U12: "Triple Buffer/Driver With Open-Drain Output"
U13: "256Kb (8k x 32) SPI F-RAM"
U14: "QUADRUPLE BUS BUFFER GATE  WITH 3-STATE OUTPUTS"
U15: "Processor Supervisory Circuits with Window-Watchdog."
U16_LM601 U16_LM602 U16_LM603 U16_LM604: "Analog temperature sensor"
XT1: library part Crystal, "Resonator Ceramic"
XT2: library part Crystal_SMD, "Resonator Ceramic"
XT3: library part "Crystal Oscillator", "Crystal Oscillator"

## Via types
v1: diameter 32, hole 11.81, Top Layer to Bottom Layer, 202 vias
v2: diameter 50, hole 19.68, Top Layer to Bottom Layer, 17 vias